# Allegro board PSOC_6A512K_CAPSENSE_VALIDATION_BOARD_Rev_2.brd (continued)
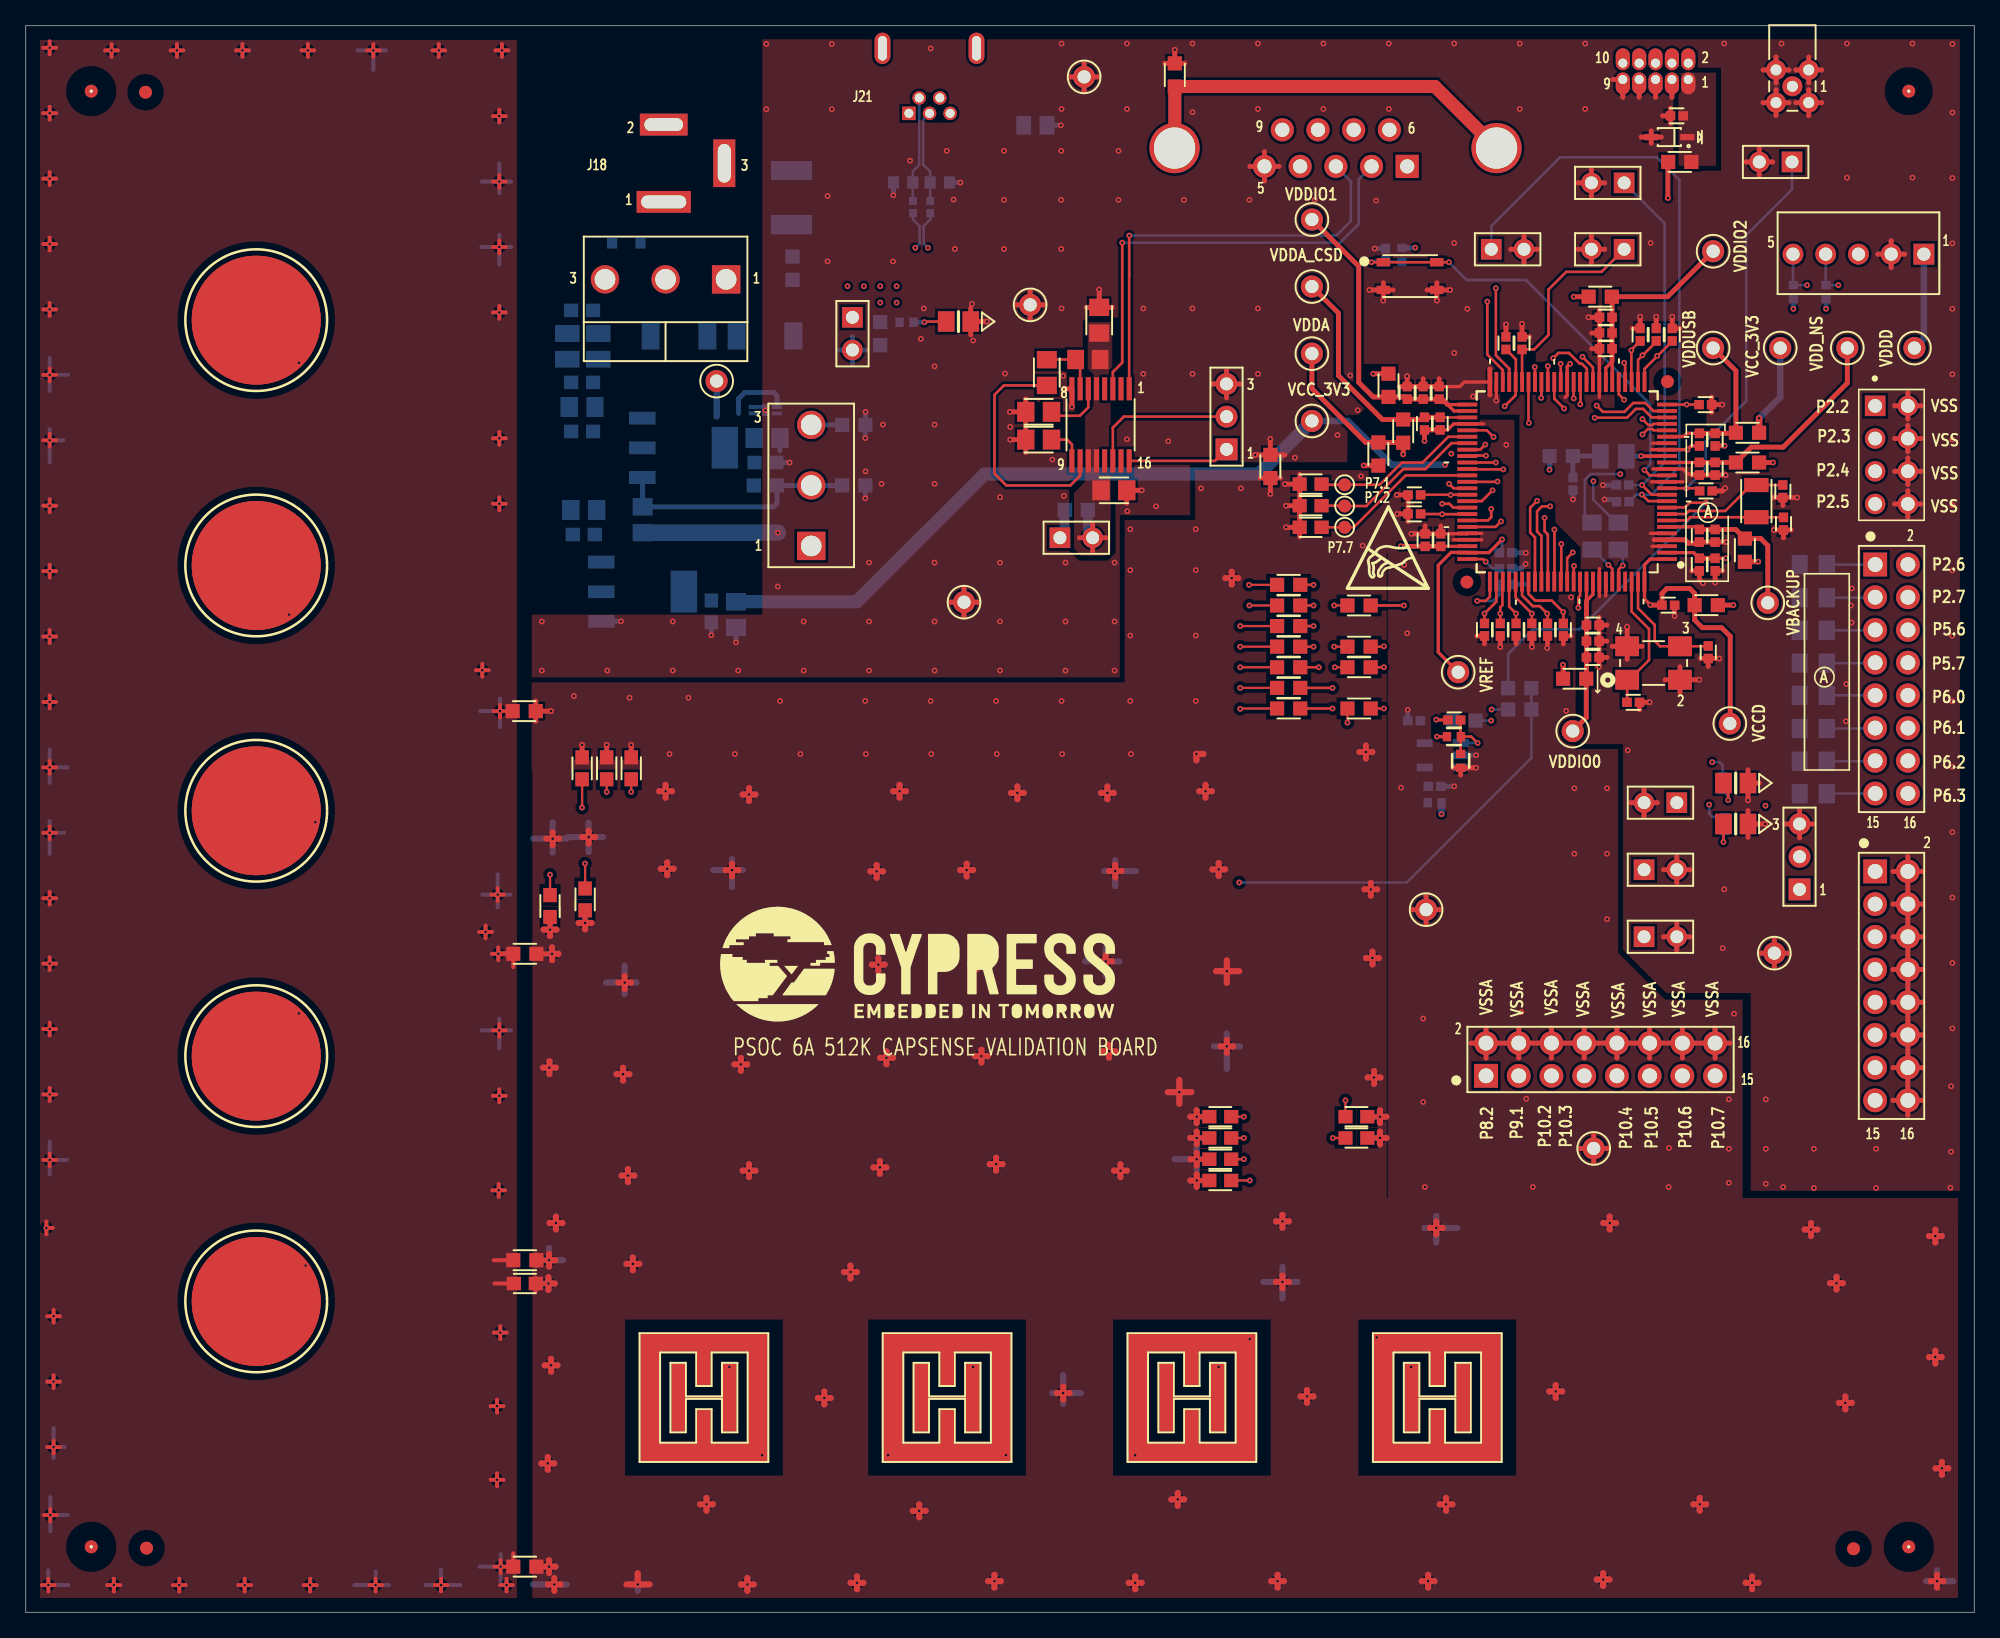
[diagram p0: board, top side]
## Routing (per net, layer and track width the routed paths; a pad name or vN(x,y) marks a point on that pad's centre or on a via; arc(x,y) is an arc through that point) (continued)
P7_7: length 13
  TOP w0.203: C23.1 TP17.1 103.07,84.25 107.1,88.28 U8.62
P8_0: length 18
  TOP w0.203: v1(106.96,78.18) R9.2 ; U8.63 114.2,87.78 v1(114.22,87.81)
  L03_SIG w0.203: v1(106.96,78.18) 106.96,79.73 112.32,85.09 112.32,86.69 113.44,87.81 v1(114.22,87.81)
P8_1: length 17.3
  TOP w0.203: U8.64 110.81,87.28 v1(110.46,87.63) ; R6.2 v1(99.95,79.78)
  L03_SIG w0.203: v1(110.46,87.63) 106.22,87.63 103.71,85.12 103.71,83.54 v1(99.95,79.78)
P8_2: length 51.9
  TOP w0.203: C87.2 108.28,86.78 110.58,86.78 v1(110.59,86.77) 110.61,86.78 U8.65
  L04_SIG w0.203: J23.1 111.53,43.46 111.53,61.09 113.31,62.87 113.31,68.78 112.56,69.53 112.56,70.93 113.21,71.58 113.21,74.55 112.09,75.67 112.09,85.27 v1(110.59,86.77)
P8_3: length 19
  TOP w0.203: U8.66 113,86.28 v1(113.84,87.12) ; v1(105.41,75.01) 105.38,74.98 R13.2
  L03_SIG w0.203: v1(105.41,75.01) 107.62,77.22 107.62,79.58 112.8,84.76 112.8,86.08 v1(113.84,87.12)
P9_0: length 17.2
  TOP w0.203: U8.67 110.79,85.78 110.49,86.08 v1(109.93,86.08) ; R8.2 v1(99.95,78.18)
  L03_SIG w0.203: v1(109.93,86.08) 106.4,86.08 104.75,84.43 104.75,82.98 v1(99.95,78.18)
P9_1: length 55.1
  TOP w0.203: U8.68 111.87,85.27 v1(109.93,85.27) 109.92,85.28 108.27,85.28 C88.2
  L04_SIG w0.203: v1(109.93,85.27) 111.63,83.57 111.63,75.26 112.75,74.14 112.75,71.91 111.94,71.09 111.94,62.36 111.05,61.47 111.05,41.66 112.5,40.21 114.43,40.21 J23.3
P9_2: length 25.2
  TOP w0.203: U8.69 113.48,84.78 113.74,85.04 v1(113.74,85.67) ; R17.2 v1(100.36,73.38)
  L03_SIG w0.203: v1(100.36,73.38) 101.16,74.18 106.82,74.18 109.91,77.27 109.91,81.18 113.74,85.01 v1(113.74,85.67)
P9_3: length 26.2
  TOP w0.203: U8.70 114.08,84.28 v1(114.5,84.71) ; R19.2 v1(101.42,71.78)
  L03_SIG w0.203: v1(114.5,84.71) 114.05,84.71 110.46,81.13 110.46,76.99 105.71,72.24 101.88,72.24 v1(101.42,71.78)
P10_0: length 38.7
  TOP w0.203: U8.75 113.11,81.78 v1(113.31,81.58)
  L03_SIG w0.203: v1(113.31,81.58) 114.78,80.11 120.8,80.11 122.2,78.71 122.2,76.96 129.67,69.49 129.67,61.72 J13.1
  BOTTOM w0.203: v1(113.31,81.58) 113.84,81.05 C109.2
P10_1: length 33.2
  TOP w0.203: v1(112.65,78.54) 113.31,78.54 113.63,78.86 U8.76
  L03_SIG w0.203: v1(112.65,78.54) 112.65,78.56 113.67,79.58 120.47,79.58 121.56,78.49 121.56,76.66 128.14,70.08 J12.1
  BOTTOM w0.203: C108.2 114.37,79.01 113.89,78.54 v1(112.65,78.54)
P10_2: length 42
  TOP w0.203: C120.2 v1(113.22,77.55) 114.13,78.47 U8.77
  L03_SIG w0.203: v1(113.22,77.55) 113.22,71.28 112.8,70.87 112.8,68.71 113.22,68.29 113.22,50.49 117.14,46.56 117.14,42.93 J23.5
P10_3: length 41.9
  TOP w0.203: U8.78 114.6,80 114.6,78.21 114.44,78.04 v1(114.44,77.55) C119.2
  L03_SIG w0.203: v1(114.44,77.55) 115.06,76.93 115.06,52.48 119.71,47.83 119.71,42.9 J23.7
P10_4: length 42.6
  TOP w0.203: C118.2 v1(115.67,77.55) 115.13,78.09 U8.79
  L03_SIG w0.203: J23.9 122.22,42.93 122.22,46.58 115.67,53.14 v1(115.67,77.55)
P10_5: length 43.9
  TOP w0.203: C117.2 v1(116.89,77.55) 115.63,78.81 U8.80
  L03_SIG w0.203: v1(116.89,77.55) 116.31,76.97 116.31,54.03 124.79,45.54 124.79,42.9 J23.11
P10_6: length 45.1
  TOP w0.203: C116.2 118.11,77.53 v1(118.09,77.55) 117.51,78.13 116.97,78.13 116.13,78.96 U8.81
  L03_SIG w0.203: J23.13 127.33,42.9 127.33,45.09 117.53,54.89 117.53,76.99 v1(118.09,77.55)
P10_7: length 47.9
  TOP w0.203: U8.82 116.63,79.08 117.15,78.56 118.44,78.56 v1(119.33,77.67) 119.34,77.67 C115.2
  L03_SIG w0.203: J23.15 129.87,42.9 129.87,45.54 128.7,46.71 127.15,46.71 118.16,55.7 118.16,73.81 118.74,74.4 118.74,77.09 v1(119.33,77.67)
P11_0: length 55
  TOP w0.203: U8.83 117.13,83.48 116.76,83.85 116.76,85.78 v1(117.3,86.31)
  L04_SIG w0.203: v1(117.3,86.31) 117.93,86.94 124.51,86.94 127.66,83.79 133.71,83.79 141.9,75.6 141.9,63.46 143.54,61.82 J15.1
P11_1: length 55
  TOP w0.203: v1(118.31,85.88) 117.68,85.88 117.3,85.5 117.3,83.92 117.63,83.58 U8.84
  L04_SIG w0.203: v1(118.31,85.88) 124.46,85.88 127.89,82.45 132.79,82.45 134.75,80.49 135.48,80.49 140.6,75.37 140.6,63.59 141.99,62.2 141.99,56.54 J15.3
P11_2: length 55.1
  TOP w0.203: U8.85 118.13,83.69 117.88,83.95 v1(117.88,84.99)
  L04_SIG w0.203: J15.5 141.15,54.84 141.15,61.87 139.66,63.36 139.66,70.17 135.9,73.93 135.9,74.22 136.27,74.59 136.27,74.88 135.99,75.16 135.7,75.16 135.33,74.79 135.04,74.79 134.75,75.08 134.75,75.37 135.12,75.74 135.12,76.03 134.84,76.31 134.55,76.31 134.13,75.9 133.27,75.9 124.18,84.99 v1(117.88,84.99)
P11_3: length 55
  TOP w0.203: U8.86 118.64,80.04 v1(118.64,84.07)
  L04_SIG w0.203: J15.7 140.89,49.91 140.28,50.52 140.28,52.3 140.49,52.5 141.22,52.5 141.43,52.71 141.43,53.11 141.22,53.32 140.49,53.32 140.28,53.52 140.28,61.62 137.96,63.94 137.96,70.04 123.93,84.07 v1(118.64,84.07)
P11_4: length 54.7
  TOP w0.203: v1(119.18,82.96) 119.18,80.08 U8.87
  L04_SIG w0.203: v1(119.18,82.96) 119.41,83.19 123.19,83.19 136.59,69.79 136.59,64.2 139.29,61.49 139.29,47.88 139.8,47.37 140.8,47.37 141,47.17 141,46.71 141.2,46.51 141.61,46.51 141.81,46.71 141.81,47.17 142.02,47.37 143.54,47.37
P11_5: length 54.8
  TOP w0.203: U8.88 119.63,81.86 v1(120.07,82.3)
  L04_SIG w0.203: v1(120.07,82.3) 125.68,76.68 127.84,76.68 135.42,69.1 135.42,63.61 136.07,62.97 136.07,54.41 137.72,52.76 137.72,46.3 139.19,44.83 140.23,44.83 140.43,44.63 140.43,44.25 140.64,44.04 141.04,44.04 141.25,44.25 141.25,44.63 141.78,45.16 143.21,45.16 J15.11
P11_6: length 55.5
  TOP w0.203: v1(120.17,81.25) 120.14,81.23 120.14,80.04 U8.89
  L04_SIG w0.203: v1(120.17,81.25) 120.17,79.58 124.28,75.46 127.81,75.46 134.21,69.06 134.21,50.24 135.99,48.46 135.99,45.16 139.8,41.35 142.6,41.35 J15.13
P11_7: length 55.2
  TOP w0.203: v1(120.5,78) 120.5,78.79 120.63,78.93 U8.90
  L04_SIG w0.203: v1(120.5,78) 132.77,65.74 132.77,50.19 134.98,47.98 134.98,44.63 136.14,43.46 136.14,43.17 135.71,42.74 135.71,42.45 135.99,42.16 136.28,42.16 136.72,42.6 137,42.6 137.29,42.31 137.29,42.02 136.85,41.59 136.85,41.3 137.14,41.01 137.43,41.01 137.87,41.45 138.15,41.45 139.85,39.75 J15.15
P12_0: length 3.2
  TOP w0.203: v1(122.83,81.33) 123.13,81.03 U8.95
  BOTTOM w0.203: R42.2 121.65,82.52 v1(122.83,81.33)
P12_1: length 2.8
  TOP w0.203: U8.96 123.63,80.99 123.93,81.28 v1(123.95,81.28)
  BOTTOM w0.203: v1(123.95,81.28) 123.95,82.16 R41.2
P12_6: length 10.7
  TOP w0.203: U8.98 124.63,77.7 125.98,76.35 125.98,73.94 124.46,72.41 Y2.1 124.29,70.68 C55.1
P12_7: length 9.5
  TOP w0.203: C54.1 130.55,75.01 Y2.3 126.84,75.01 126.43,75.43 126.43,76.67 125.13,77.96 U8.99
RS232_RX: length 34.3
  TOP w0.203: v1(85.65,106.91) 85.64,106.9 85.64,103.84 85.64,103.84 U1.1
  BOTTOM w0.203: J16.3 102.84,111.11 102.84,108.03 101.73,106.91 v1(85.65,106.91)
RS232_TX: length 35.5
  TOP w0.203: v1(85.1,106.35) 85.1,97.04 84.37,96.31 U1.3
  BOTTOM w0.203: v1(85.1,106.35) 102.01,106.35 103.45,107.8 103.45,111.28 J16.2
RX0: length 67.3
  TOP w0.178: C35.1 v1(94.54,35.18) ; R9.1 v1(101.55,78.18)
  L03_SIG w0.178: v1(92.58,19.05) 94.11,20.57 94.11,34.75 v1(94.54,35.18) 96.24,36.88 96.24,77.11 96.52,77.39 100.76,77.39 v1(101.55,78.18)
RX1: length 81.2
  TOP w0.178: C33.1 v1(94.54,36.83) ; R6.1 v1(94.95,79.78)
  L03_SIG w0.178: v1(73.53,19.05) 73.53,24.13 76.45,27.05 89.92,27.05 93.24,30.38 93.24,35.54 v1(94.54,36.83) 95.61,37.9 95.61,79.12 v1(94.95,79.78)
RX2: length 98.2
  TOP w0.178: R8.1 v1(94.97,78.18) ; C31.1 v1(94.54,38.48)
  L03_SIG w0.178: v1(54.61,19.05) 54.61,26.04 57.46,28.88 90.22,28.88 92.38,31.04 92.38,36.32 v1(94.54,38.48) 94.97,38.91 v1(94.97,78.18)
RX3: length 66.5
  TOP w0.178: R13.1 v1(101.55,74.98) ; C32.1 v1(102.43,39.75)
  L03_SIG w0.178: v1(101.55,74.98) 100.91,74.98 99.8,73.86 99.8,43.56 102.43,40.93 v1(102.43,39.75) 99.82,37.15 99.82,23.72 104.5,19.05 v1(107.52,19.05)
TX0: length 77.1
  TOP w0.178: C37.1 v1(95,33.53) ; R18.2 v1(101.6,73.38)
  L04_SIG w0.178: v1(76.07,12.19) v1(86.11,12.19) ; v1(101.6,73.38) 100.66,72.44 100.66,39.19 v1(95,33.53) v1(95,21.21) ; v1(57.15,12.19) v1(66.93,12.19)
TX1: length 51.7
  TOP w0.178: R25.2 v1(102.58,69.09) ; C34.1 v1(101.45,36.83)
  L03_SIG w0.178: v1(101.45,36.83) 101.45,24.74 v1(104.85,21.34)
  L04_SIG w0.178: v1(102.58,69.09) 101.55,68.06 101.55,36.93 v1(101.45,36.83)
USBDM: length 70.9
  TOP w0.198: v1(125.48,91.47) 125.89,91.88 126.24,91.88 126.34,91.78 U8.21
  L03_SIG w0.157: v1(69.04,105.96) 69.38,105.62 69.38,104.76 70.21,103.94 95.89,103.94 100.69,99.14 121.23,99.14 122.81,97.56 122.81,92.71 123.61,91.91 125.04,91.91 v1(125.48,91.47)
  BOTTOM w0.198: v1(69.04,105.96) 69.38,106.29 69.38,107.64 68.86,108.16 R76.2
USBDP: length 70.5
  TOP w0.198: v1(125.48,92.65) 125.94,92.18 126.24,92.18 126.34,92.28 U8.22
  L03_SIG w0.157: v1(70.02,105.96) 69.68,105.62 69.68,104.89 70.33,104.24 96.01,104.24 100.81,99.44 121.36,99.44 123.11,97.69 123.11,92.84 123.74,92.21 125.04,92.21 v1(125.48,92.65)
  BOTTOM w0.198: R77.2 70.21,108.16 69.68,107.64 69.68,106.29 v1(70.02,105.96)
VBACKUP: length 12.9
  TOP w0.254: C105.1 129.69,84.28 U8.6
  TOP w0.381: C105.1 C106.1 132.72,84.08 R4.2 134.66,83.37 135.2,82.83 TP21.1
VBUCK: length 3.8
  BOTTOM w0.381: L4.2 122.19,89.79 R68.1 120.08,88.13 C93.1
VREF: length 15.9
  TOP w0.254: v1(114.58,83.31) 113.55,82.28 U8.74 111.87,82.3 110.62,82.3 109.63,81.31 109.63,74.55 TP20.1
  BOTTOM w0.254: v1(114.58,83.31) 114.58,82.48 C99.1
VREF_CSD: length 1.7
  TOP w0.254: C28.1 109.5,69.29 v1(109.47,69.32) ; R26.2 v1(109.52,68)
XRES_L: length 64.3
  TOP w0.203: v1(104.45,104.83) SW1.1 SW1.2 v1(110.46,104.83) ; v1(125.63,88.7) 126.04,88.28 U8.14
  L03_SIG w0.203: J17.10 112.19,120.29 109.8,117.91 109.8,105.49 v1(110.46,104.83)
  BOTTOM w0.203: v1(110.46,104.83) 111.84,103.45 116.43,103.45 126.09,93.8 126.09,89.15 v1(125.63,88.7) ; R31.2 105.59,104.87 C40.1 104.54,104.92 v1(104.45,104.83)
N17482306: length 4.7
  TOP w0.203: U1.7 81.83,96.93 L1.2 79.26,97.28 C3.1
N17482310: length 19
  TOP w0.203: U1.10 81.83,88.26 81.08,87.5 76.1,87.5 75.18,88.42 75.18,94.54 75.91,95.27 C3.2
N17482347: length 4.7
  TOP w0.203: C4.1 79.92,92.91 81.81,92.91 82.47,93.57 U1.6
N17482357: length 3
  TOP w0.203: C5.1 80.82,91.06 81.2,90.69 U1.9
N17482493: length 31.7
  TOP w0.203: 89.18,113.72 J16.SH2
  TOP w1.016: 89.18,113.72 R1.2 109.37,118.48 J16.SH1
N17512553: length 5.5
  TOP w0.203: R27.2 111.37,67.98 R26.1 ; R26.1 112.19,68 v1(112.68,67.5) ; R26.1 111.36,68.02 C28.2
  BOTTOM w0.203: U6.1 v1(112.68,67.5)
N17568145: length 19.3
  BOTTOM w0.381: R45.2 SW3.2 R46.1 58.3,86.12 58.02,85.84 C51.1 47.88,88.1 U4.1
N17568173: length 2.4
  BOTTOM w0.381: SW3.3 60.96,92.2 R39.2
N17568632: length 4.1
  BOTTOM w0.381: J7.2 64.16,99.05 ; J7.2 63.13,98.02 ; J7.2 65.19,98.02 ; J7.2 64.16,96.99
N17570140: length 3.8
  BOTTOM w0.203: J20.1 143.53,81.35 R38.2
N17570160: length 3.8
  BOTTOM w0.203: R40.2 143.51,78.79 J20.3
N17570180: length 3.8
  BOTTOM w0.203: J20.5 143.51,76.25 R43.2
N17570200: length 3.8
  BOTTOM w0.203: R47.2 143.5,73.7 J20.7
N17570220: length 3.8
  BOTTOM w0.203: J20.9 143.53,71.19 R49.2
N17570240: length 3.8
  BOTTOM w0.203: J20.11 143.51,68.63 R50.2
N17570260: length 3.8
  BOTTOM w0.203: J20.13 143.51,66.09 R51.2
N17579110: length 2.4
  TOP w0.203: v1(132.13,63.07) 132.13,64.02 LED2.A
  BOTTOM w0.203: v1(132.13,63.07) 132.13,63.42 R58.2
N17579139: length 2.3
  TOP w0.203: LED3.A v1(131.76,59.82)
  BOTTOM w0.203: v1(131.76,59.82) 131.76,60.61 R60.2
N17584827: length 2.6
  TOP w0.203: LED1.A 69.8,100.23 v1(69.75,100.18)
  BOTTOM w0.381: R34.2 v1(69.75,100.18)
N17667042: length 3.2
  TOP w0.279: U8.17 v1(125.37,89.78)
  BOTTOM w0.381: L4.1 124.23,89.78 v1(125.37,89.78)
N17689107: length 3.8
  BOTTOM w0.203: R54.2 139.79,63.58 J20.15
N17706476: length 8.2
  BOTTOM w0.198: R76.1 68.85,109.6 RV1.1 68.85,111.9 69.34,112.39 J21.2
N17706697: length 7.2
  BOTTOM w0.198: R77.1 70.19,109.6 RV2.1 70.19,111.87 69.65,112.42 69.65,115.9 J21.3

## Copper pours and planes (outline as drawn; the poured copper is in the pictures)
GND_EARTH on BOTTOM: 52.58,110.11 52.58,112.65 51.94,113.28 46.61,113.28 46.35,113.03 46.35,105.66 46.23,105.54 43.43,105.54 43.05,105.16 43.05,98.68 39.24,98.68 39.24,122.05 56.26,122.05 56.26,110.11
GND_SHIELD on BOTTOM: 63.49,117.58 63.49,122.18 78,122.18 78,114.68 77.67,114.35 71.63,114.35 71.17,114.81 71.17,116.74 71.4,116.97 71.4,117.14 70.51,117.14 70.51,117.02 70.28,117.25 63.83,117.25 ; 1 cut-out
VCC_3V3 on BOTTOM: 43.69,80.52 46.86,80.52 47.24,80.9 47.24,82.17 47.5,82.42 56.77,82.42 57.15,82.04 57.15,78.23 56.64,77.72 43.69,77.72 43.43,77.98 43.43,80.26
VCC_IN on BOTTOM: 43.48,98.17 43.48,94.97 43.51,94.95 47.31,94.95 49.71,97.35 49.71,100.3 49.58,100.43 47.42,100.43 47.04,100.05 47.04,98.91 46.43,98.3 43.61,98.3
VCC_OUT on BOTTOM: 43.43,80.9 43.43,94.56 47.49,94.56 51.64,98.71 51.64,100.71 52.02,101.09 55.93,101.09 56.39,100.63 56.39,97.63 55.8,97.04 53.56,97.04 51.97,95.45 51.97,94.98 48.93,91.95 46.48,91.95 46.48,80.9
VCC_VAR on BOTTOM: 56.9,93.34 51.31,93.34 49.28,91.31 46.86,91.31 46.61,91.06 46.61,89.15 46.74,89.03 49.28,89.03 49.4,88.9 49.4,87 49.53,86.87 57.02,86.87 57.15,87 57.15,93.09
VDDD on BOTTOM: 62.1,103.1 62.1,99.95 62.46,99.59 67.97,99.59 68.12,99.75 68.12,103.12 67.97,103.28 62.28,103.28
VDDD on L05_PWR: 106.17,77.77 106.17,84.35 91.68,84.35 91.68,82.17 78.11,82.17 78.11,93.09 74.8,96.39 63.17,96.39 62.23,97.33 62.23,102.87 63.25,103.89 106.55,103.89 107.44,104.78 107.44,108.71 108.97,110.24 150.09,110.24 150.09,31.95 106.17,31.95
VSS on TOP: 133.88,32.72 133.88,48.08 127.32,48.08 123.9,51.51 123.9,67.41 120.68,67.41 120.68,80.49 115.93,80.49 115.93,92.99 104.72,92.99 104.72,93.17 104.39,93.5 103.96,93.5 103.45,92.99 102.59,92.99 102.59,92.61 102.39,92.61 102.39,92.53 102.59,92.33 102.59,89.31 91.69,89.31 91.69,89.28 90.37,89.28 90.37,85.19 84.91,85.19 84.91,72.58 39.27,72.58 39.27,77.47 57.17,77.47 57.17,122.15 150.11,122.15 150.11,32.72 ; 46 cut-outs
VSS on BOTTOM: 133.86,32.33 133.86,47.47 106.17,47.47 106.17,82.68 91.69,82.68 91.69,65.91 39.27,65.91 39.27,77.11 39.24,77.11 39.24,98.04 43.05,98.04 43.05,77.47 57.17,77.47 57.17,87.22 57.71,87.22 57.71,88.27 57.63,88.27 57.63,91.95 58.06,91.95 58.06,92.43 57.38,92.43 57.38,92.15 57.17,92.15 57.17,122.15 150.11,122.15 150.11,32.33 ; 13 cut-outs
VSS on L02_GND: 133.86,32.03 133.86,48.08 127.91,48.08 123.98,52.02 123.98,67.41 120.53,67.41 120.53,79.51 117.2,79.51 117.2,81.18 116.05,81.18 116.05,92.81 102.79,92.81 102.79,88.85 90.6,88.85 90.6,84.97 85.15,84.97 85.15,72.69 39.27,72.69 39.27,77.47 57.17,77.47 57.17,122.15 150.11,122.15 150.11,32.03 ; 1 cut-out
VSS on L03_SIG: 133.88,32 133.88,48.08 127.92,48.08 123.98,52.03 123.98,67.41 120.65,67.41 120.65,76.5 121.44,76.5 121.44,78.92 120.65,78.92 120.65,79.3 121.64,79.3 121.64,79.65 120.65,79.65 120.65,79.38 120.07,79.96 116.26,79.96 116.07,80.15 116.07,83.7 116.48,84.12 116.48,89.99 116.05,90.42 116.05,92.81 102.79,92.81 102.79,88.85 90.6,88.85 90.6,84.97 85.15,84.97 85.15,72.69 39.27,72.69 39.27,77.47 57.17,77.47 57.17,122.15 123.29,122.15 123.29,121.06 123.95,121.06 123.95,122.15 150.11,122.15 150.11,32 ; 20 cut-outs
VSS on L04_SIG: 133.86,31.98 133.86,47.48 124.18,47.48 124.18,67.31 125.32,67.31 125.32,67.41 124.18,67.41 124.18,67.51 124.13,67.56 120.93,67.56 120.68,67.82 120.68,73.51 118.69,75.49 118.69,78.44 115.95,78.44 115.95,91.47 117.5,91.47 117.5,92.74 115.95,92.74 115.95,93.01 102.59,93.01 102.59,89.03 90.37,89.03 90.37,85.14 84.94,85.14 84.94,72.49 39.27,72.49 39.27,77.47 57.17,77.47 57.17,122.15 150.11,122.15 150.11,31.98 ; 11 cut-outs
VSS on L05_PWR: 91.69,81.79 91.69,65.91 39.23,65.91 39.23,77.47 57.78,77.47 57.78,122.06 150.08,122.06 150.08,98.76 84.89,98.76 84.89,81.79 ; 2 cut-outs
VSSA on TOP: 105.7,31.95 105.7,82.23 92.21,82.23 92.21,65.37 39.26,65.37 39.26,72.21 85.29,72.21 85.29,84.81 90.75,84.81 90.75,88.7 104.11,88.7 104.11,89.79 102.95,89.79 102.95,89.81 106.12,89.81 106.12,91.41 108.13,91.41 108.13,92.61 115.54,92.61 115.54,79.12 118.08,79.12 118.08,78.68 118.97,78.68 118.97,79.12 120.29,79.12 120.29,67.03 123.59,67.03 123.59,51.21 127.23,47.57 133.25,47.57 133.25,31.95 ; 6 cut-outs
VSSA on TOP: 38.21,66.29 91.31,66.29 91.31,82.68 105.72,82.68 105.72,32.26 150.06,32.26 150.06,1.41 150.06,1.02 38.21,1.02
VSSA on BOTTOM: 39.26,72.21 85.29,72.21 85.29,84.81 90.75,84.81 90.75,88.7 102.95,88.7 102.95,92.61 115.54,92.61 115.54,79.12 120.29,79.12 120.29,67.21 123.8,67.21 123.8,47.06 133.3,47.06 133.3,31.95 123.75,31.95 106.06,31.95 106.06,82.56 91.6,82.56 91.6,66.13 39.26,66.13 ; 2 cut-outs
VSSA on BOTTOM: 38.21,66.29 91.31,66.29 91.31,82.68 106.17,82.68 106.17,32.26 150.06,32.26 150.06,1.41 150.06,1.02 38.21,1.02
VSSA on L02_GND: 39.26,72.07 85.53,72.07 85.53,84.59 90.99,84.59 90.99,88.47 103.17,88.47 103.17,92.51 115.68,92.51 115.68,81.08 116.03,81.08 116.03,81 116.31,81 116.31,81.03 116.92,81.03 116.92,79.25 120.15,79.25 120.15,67.02 123.59,67.02 123.59,51.72 127.74,47.57 133.27,47.57 133.27,31.95 123.75,31.95 105.7,31.95 105.7,82.23 92.21,82.23 92.21,65.8 39.26,65.8
VSSA on L03_SIG: 105.7,31.95 105.7,82.23 92.21,82.23 92.21,65.8 39.26,65.8 39.26,72.07 85.53,72.07 85.53,84.59 90.99,84.59 90.99,88.47 103.17,88.47 103.17,92.51 115.68,92.51 115.68,89.99 116.28,89.39 116.28,84.45 116.13,84.3 115.68,83.73 115.68,83.43 115.7,83.41 115.7,79.55 115.7,79.14 120.17,79.14 120.17,67.02 123.59,67.02 123.59,51.72 127.74,47.57 133.25,47.57 133.25,31.95 ; 8 cut-outs
VSSA on L04_SIG: 106.17,71.62 106.24,71.53 106.35,71.55 108.38,73.58 108.38,75.68 108.32,75.77 108.21,75.75 106.17,73.71 106.17,82.56 91.6,82.56 91.6,66.13 39.26,66.13 39.26,72.21 85.29,72.21 85.29,84.81 90.75,84.81 90.75,88.7 102.95,88.7 102.95,92.61 115.54,92.61 115.54,78.28 118.73,78.28 118.73,75.97 120.29,74.41 120.29,67.21 123.8,67.21 123.8,47.06 133.28,47.06 133.28,31.95 106.17,31.95 ; 9 cut-outs
HATCH on TOP, BOTTOM: 1.02,1.02 1.02,122.18 38.21,122.18 38.21,1.02
LTCVCC on TOP: 82.22,87.78 82.22,93.01 82.85,93.65 82.85,96.14 82.42,96.57 82.42,100.08 82.55,100.2 84.2,100.2 84.33,100.08 84.33,96.39 84.2,96.27 84.2,82.42 83.82,82.04 81.9,82.04 81.36,82.59 81.36,86.92
RX0 on TOP (solid shape): 89.1,16.77 91.9,16.77 91.9,19.37 93.1,19.37 93.1,13.97 91.9,13.97 91.9,16.57 89.1,16.57 89.1,13.97 87.9,13.97 87.9,19.37 89.1,19.37
RX1 on TOP (solid shape): 70.11,16.77 72.91,16.77 72.91,19.37 74.11,19.37 74.11,13.97 72.91,13.97 72.91,16.57 70.11,16.57 70.11,13.97 68.91,13.97 68.91,19.37 70.11,19.37
RX2 on TOP (solid shape): 51.23,16.77 54.03,16.77 54.03,19.37 55.23,19.37 55.23,13.97 54.03,13.97 54.03,16.57 51.23,16.57 51.23,13.97 50.03,13.97 50.03,19.37 51.23,19.37
RX3 on TOP (solid shape): 108.1,16.77 110.9,16.77 110.9,19.37 112.1,19.37 112.1,13.97 110.9,13.97 110.9,16.57 108.1,16.57 108.1,13.97 106.9,13.97 106.9,19.37 108.1,19.37
SINK on BOTTOM: 138.89,63.22 138.89,58.16 138.71,57.99 136.5,57.99 136.49,58 136.18,58 135.71,58.47 135.71,63.7 136.35,64.34 136.35,82.95 136.53,83.13 138.62,83.13 138.72,83.03 138.72,63.38
TX0 on TOP (solid shape): 57.63,11.67 47.63,11.67 47.63,13.17 52.03,13.17 52.03,15.77 53.23,15.77 53.23,13.17 56.03,13.17 56.03,20.17 53.23,20.17 53.23,17.57 52.03,17.57 52.03,20.17 49.23,20.17 49.23,13.17 47.63,13.17 47.63,21.67 57.63,21.67
TX0 on TOP (solid shape): 76.51,11.67 66.51,11.67 66.51,13.17 70.91,13.17 70.91,15.77 72.11,15.77 72.11,13.17 74.91,13.17 74.91,20.17 72.11,20.17 72.11,17.57 70.91,17.57 70.91,20.17 68.11,20.17 68.11,13.17 66.51,13.17 66.51,21.67 76.51,21.67
TX0 on TOP (solid shape): 95.5,11.67 85.5,11.67 85.5,13.17 89.9,13.17 89.9,15.77 91.1,15.77 91.1,13.17 93.9,13.17 93.9,20.17 91.1,20.17 91.1,17.57 89.9,17.57 89.9,20.17 87.1,20.17 87.1,13.17 85.5,13.17 85.5,21.67 95.5,21.67
TX1 on TOP (solid shape): 114.5,11.67 104.5,11.67 104.5,13.17 108.9,13.17 108.9,15.77 110.1,15.77 110.1,13.17 112.9,13.17 112.9,20.17 110.1,20.17 110.1,17.57 108.9,17.57 108.9,20.17 106.1,20.17 106.1,13.17 104.5,13.17 104.5,21.67 114.5,21.67
USB_VBUS on BOTTOM: 58.43,103.6 58.43,97.62 58.59,97.46 60.95,97.46 61.3,97.81 61.3,103.75 61.04,104.01 58.84,104.01
VREF_CSD on BOTTOM: 107.85,69.9 107.85,67.28 108,67.13 109.6,67.13 110.01,67.54 110.01,68.28 110.31,68.58 111.18,68.58 111.33,68.73 111.33,70.08 110.9,70.51 108.46,70.51
VTARG on TOP: 128.27,119.56 128.27,112.32 131.19,112.32 131.19,119.56
N17512601 on BOTTOM: 107.24,66.37 107.24,61.98 107.34,61.87 108.92,61.87 109.19,62.15 109.19,64.92 109.32,65.05 109.32,66.4 109.14,66.57 107.44,66.57
N17567146 on BOTTOM: 51.56,110.87 51.56,101.98 46.99,101.98 46.99,110.87
N17567165 on BOTTOM: 43.43,104.7 43.43,98.68 45.8,98.68 46.48,99.36 46.48,104.7
N17568632 on BOTTOM: 58.93,94.93 62.93,98.93 62.94,98.93 63.17,99.16 67.26,99.16 67.54,98.88 67.54,94.25 67.1,93.81 60.71,93.81 59.23,92.33 58.23,92.33 57.9,92.66 57.9,93.24 58.88,93.24 58.93,93.29
N17706594 on BOTTOM: 57.35,113.52 57.35,111.94 57.89,111.4 66.38,111.4 68.67,113.7 69.04,114.06 69.04,116.87 68.88,117.02 67.36,117.02 67.13,116.79 67.13,114.27 66.55,113.69 57.52,113.69
N17709704 on BOTTOM: 57.53,108.09 57.53,105.74 58.55,104.72 60.44,104.72 61.32,105.61 61.32,108.13 61.12,108.33 57.77,108.33

Small or netless copper shapes (teardrops, artwork), in the pictures only: 5 on TOP

## Text on the board
BOTTOM: BOTTOM SIDE
Ref Des/Assembly Bottom: ASSEMBLY BOTTOM
Board Geometry/Soldermask Bottom: SOLDERMASK BOTTOM
Ref Des/Silkscreen Bottom: J23 | J15 | J20 | J24 | P2.2 | P2.3 | P2.4 | P2.5 | VSS | P6.3 | P5.6 | P6.1 | P6.2 | P2.6 | P2.7 | P6.0 | P5.7 | P8.2 | VSSA | P9.1 | P10.2 | P10.3 | P10.4 | P10.5 | P10.6 | P10.7 | SILKSCREEN BOTTOM
TOP: TOP SIDE
Ref Des/Assembly Top: ASSEMBLY TOP
Board Geometry/Soldermask Top: SOLDERMASK TOP
Ref Des/Silkscreen Top: J18 | J21 | P7.7 | P7.2 | P7.1 | VDDA_CSD | VDDIO1 | VDDA | VCC_3V3 | VDDIO0 | A | P2.2 | P2.4 | P2.5 | P2.3 | VSS | P5.7 | P2.6 | P2.7 | P6.0 | P5.6 | P6.1 | P6.2 | P6.3 | VSSA | VREF | P8.2 | P9.1 | P10.2 | P10.3 | P10.4 | P10.5 | P10.6 | VDDUSB | P10.7 | VDDIO2 | VCCD | VBACKUP | VDD_NS | VDDD | SILKSCREEN TOP
L02_GND: L02_GND
L03_SIG: L03_SIG
L04_SIG: L04_SIG
L05_PWR: L05_PWR
PAGE_OUTLINE: SOLDERPASTE TOP
PLACE_BOUND_BOTTOM: SOLDERPASTE BOTTOM
DEVICE_TYPE_BOTTOM: GOLDMASK TOP
DIMENSION: GOLDMASK BOTTOM
User.20: 90E | 7.8 / 4.2
User.23: VALIDATION BOARD
User.24: 2
User.45: FIGURE | SIZE | 7.87 | 27.56 | 33.46 | 39.37 | 40.16 | 41.73 | 43.31 | 45.28 | 62.99 | 125.98 | 74.8x27.56 | 118.11x39.37 | 137.8x39.37 | DRILL CHART: TOP to BOTTOM | ALL UNITS ARE IN MILS | TOLERANCE | +1.97/-7.87 | +3.0/-3.0 | +1.97/-1.97 | PLATED | NON-PLATED | QTY | 571 | 15 | 5 | 24 | 25 | 8 | 9 | 48 | 6 | 2 | 4 | 1
